# Altium PCB FMC_ADC_250M_16B_4ch_pcb.PcbDoc (part 6 of 8) (continued)
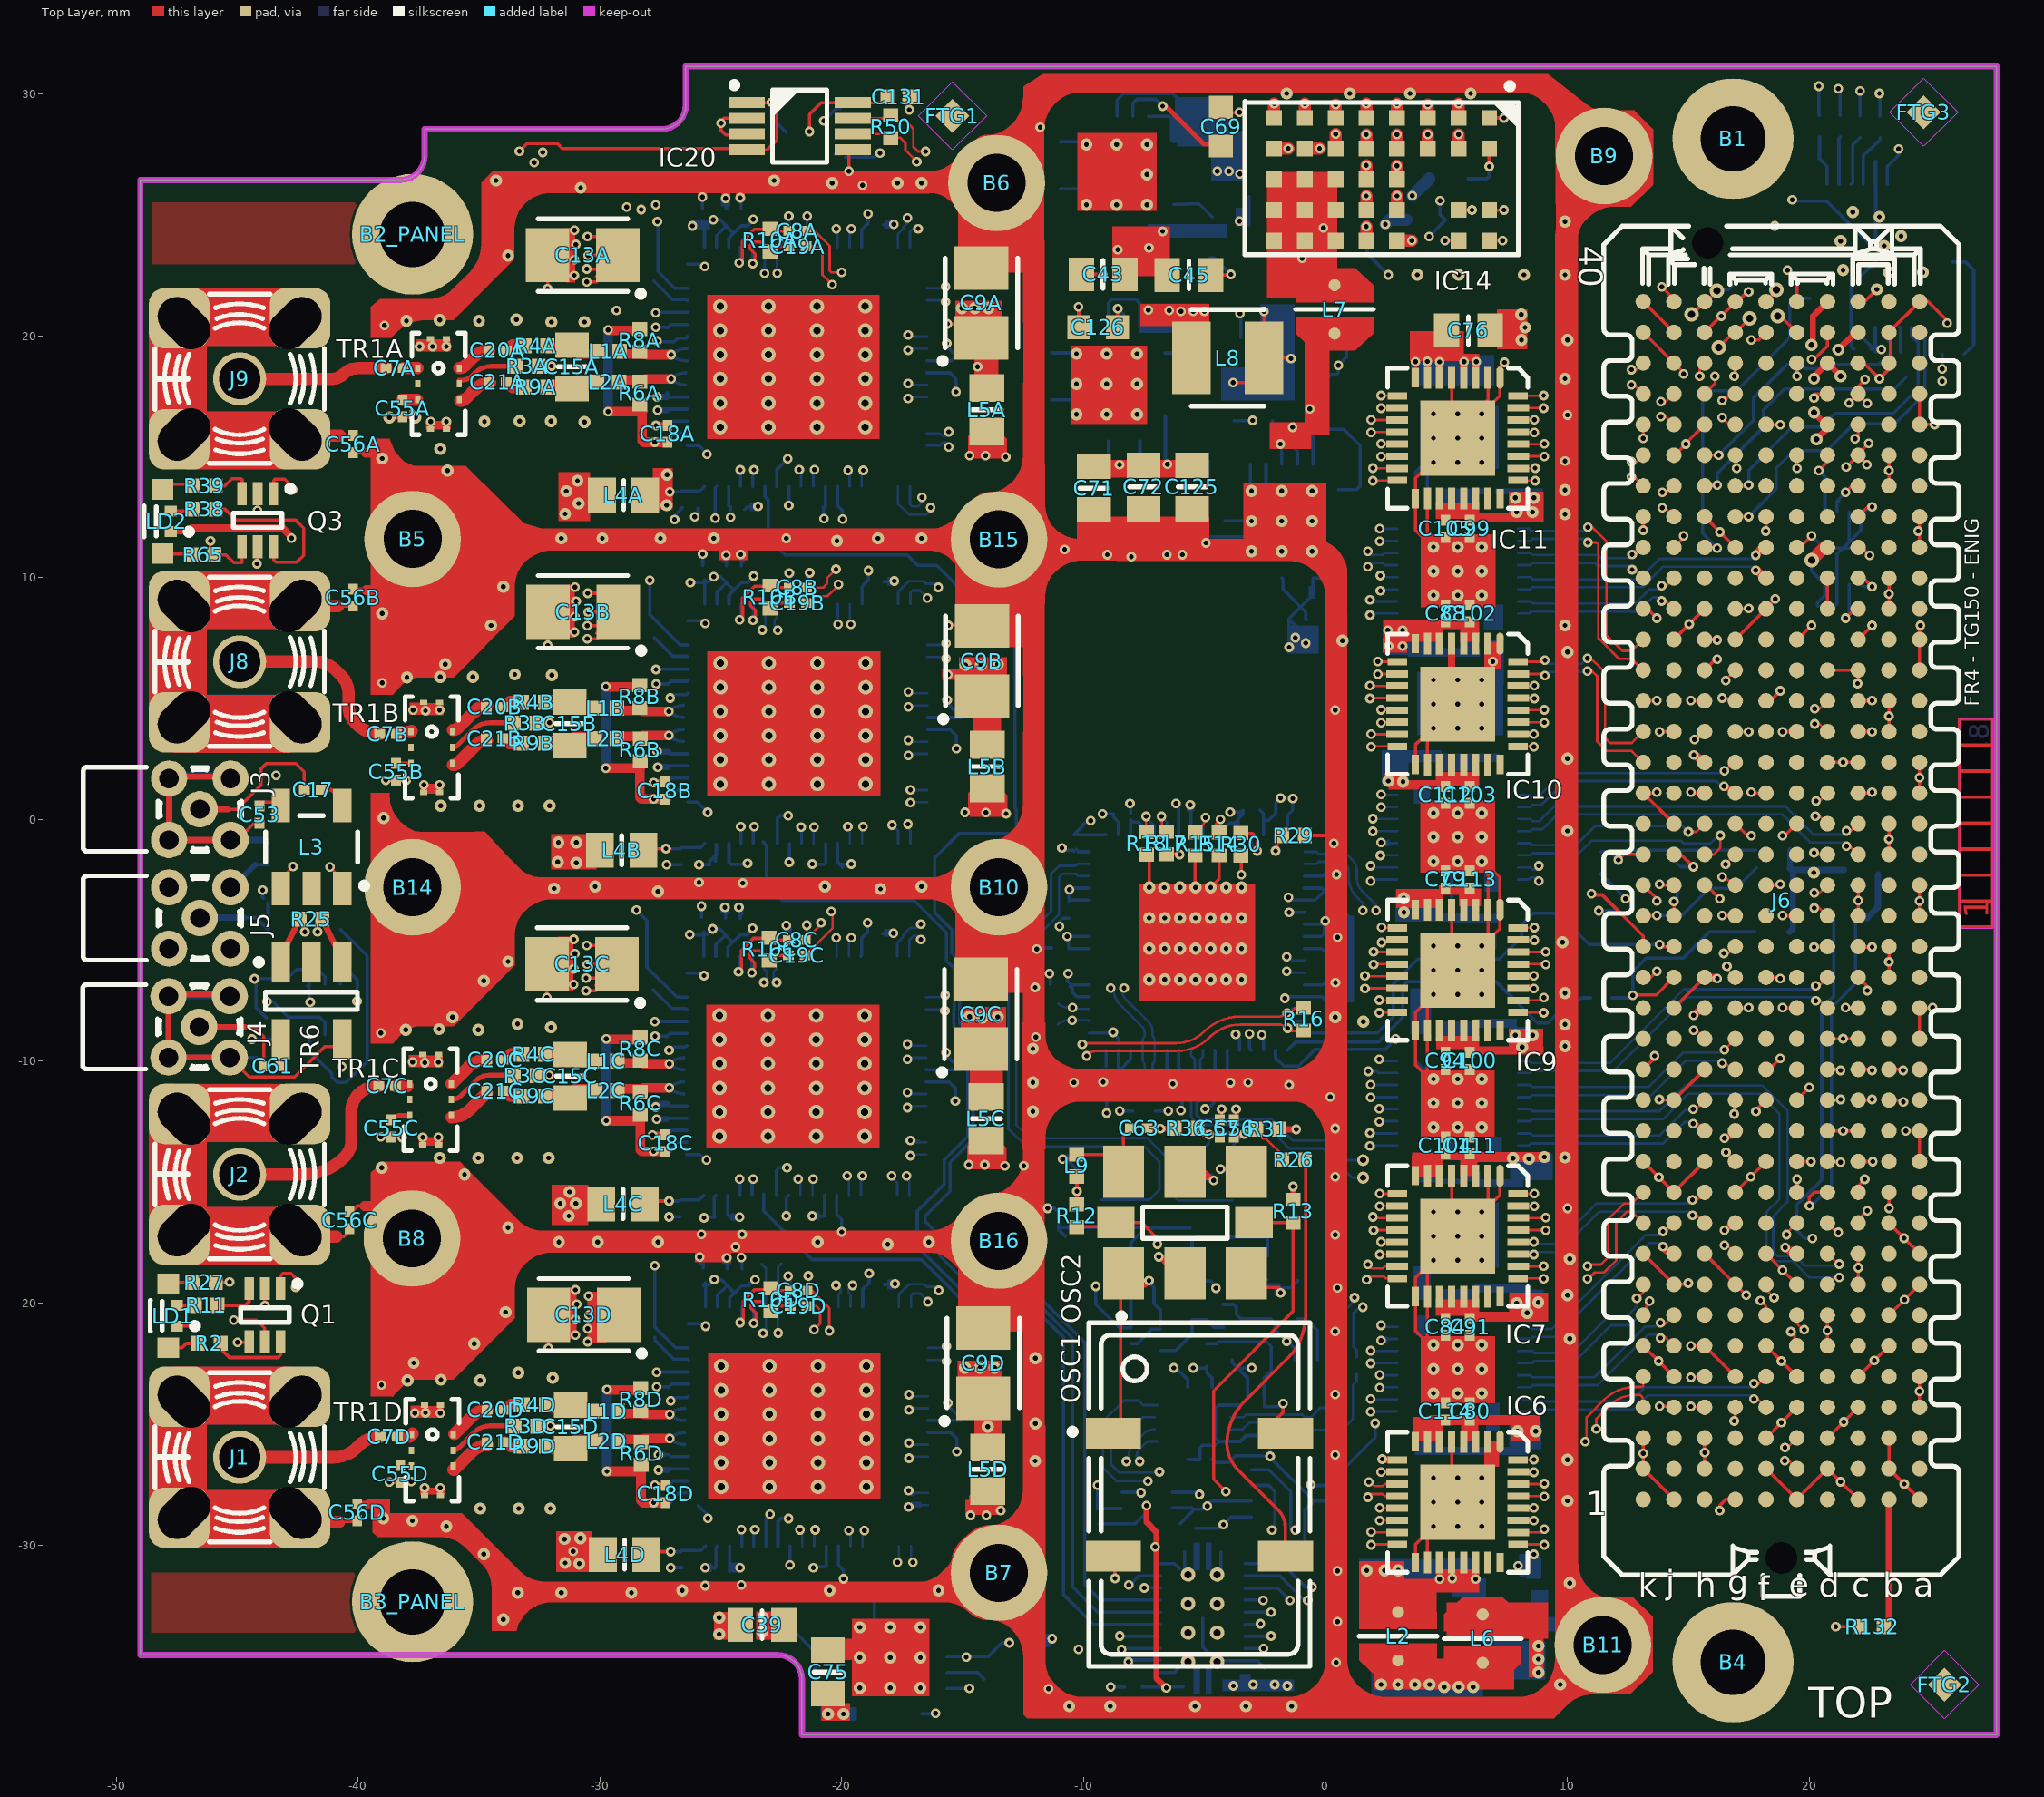
[diagram p0: Top Layer view]
## Nets (pads, with @x,y where several pads share a name; then routed paths per layer and width w, separated by ;. In a path a pad name is that pad's centre, name@x,y a point inside that pad or via, vN(x,y) a via of type N, cw(c..) or ccw(c..) an arc to the next point about the centre after c; other vN are vias at no path point) (continued)
P1V8_OVDD: C25.1 C71.1 C72.1 C125.1 C129.2 IC16.1 IC16.3 IC16.20 IC18.1 IC19.1 L5A.2 L5B.2 L5C.2 L5D.2 | length 44
  Top Layer w0.135: v1@-14.924,0.294 v1@-14.705,0.294 ; v1(-14.899,0.294) v1@-14.705,0.294 ; v1(-14.743,-14.278) -14.743,-13.495 L5C.2@-14.048,-12.801 ; v1(-14.715,15.043) -14.715,15.826 L5A.2@-14.02,16.52 ; v1(-14.673,-28.778) -14.673,-27.995 -13.978,-27.301 -13.978,-28.744 v1(-14.013,-28.778) ; v1(-14.083,-14.278) -14.048,-14.244 L5C.2@-14.048,-12.801 ; v1(-14.054,15.043) -14.02,15.077 L5A.2@-14.02,16.52 ; v1(-14.04,0.289) -14.006,0.323 L5B.2@-14.006,1.766 ; v1(-13.244,-14.329) -13.257,-14.316 -13.257,-13.592 L5C.2@-14.048,-12.801 ; v1(-13.216,14.992) -13.228,15.004 -13.228,15.729 L5A.2@-14.02,16.52 ; v1(-13.202,0.238) -13.214,0.25 -13.214,0.975 L5B.2@-14.006,1.766 ; v1(-7.036,-30.074) v1@-6.985,-30.023 ; v1@-14.705,0.294 -14.7,0.289 -14.7,1.072 L5B.2@-14.006,1.766
  Top Layer w0.254: v1(-7.391,-28.372) -7.391,-29.058 -6.985,-29.464 v1@-6.985,-30.023 ; v1@-6.985,-29.997 -6.985,-35.505 v1(-6.576,-35.914)
  L3 w0.135: v1(-13.426,-28.576) -13.396,-28.576 -13.394,-28.579 -13.394,-28.675 -11.406,-28.675 -10.008,-30.074 v1(-7.036,-30.074)
  Bottom Layer w0.135: C129.2@-9.366,-29.12 -8.416,-29.12 -7.86,-29.12 -7.391,-28.651 v1(-7.391,-28.372) ; IC16.3@-8.966,15.646 -8.966,14.643 -8.865,14.542 -8.636,14.542 v1(-8.509,14.669) ; IC16.1@-7.666,15.646 -7.666,14.791 -7.518,14.643 -6.553,14.643 -6.528,14.669 v1(-6.528,14.694) -6.616,14.783 IC16.20@-6.616,16.696 ; C25.1@-7.589,-35.876 v1@-6.615,-35.876 ; v1(-6.576,-35.914) v1@-6.615,-35.876 ; IC18.1@-5.882,-35.85 -5.907,-35.876 v1@-6.615,-35.876
P1V8AA: C1A.2 C2A.2 C3A.2 C4A.2 C5A.2 C6A.2 C13A.1 C24A.2 C133A.2 IC1A.6 IC1A.13 IC1A.19 IC1A.20 IC1A.21 IC1A.70 IC1A.71 IC1A.72 L4A.2 | length 20.6
  Top Layer w0.135: v1(-30.539,22.231) -30.132,22.231 -29.955,22.409 C13A.1@-29.955,22.642 ; v1(-30.539,22.764) -29.832,22.764 C13A.1@-29.258,23.338 ; v1(-30.513,24.111) -30.03,24.111 C13A.1@-29.258,23.338 ; v1(-30.488,23.323) -30.473,23.338 C13A.1@-29.258,23.338 ; C13A.1@-30.137,22.46 C13A.1@-29.258,23.338 ; L4A.2@-28.115,13.417 -27.988,13.544 v1(-27.11,13.544)
  Bottom Layer w0.135: v1(-27.688,20.357) C1A.2@-27.186,20.357 ; v1(-27.618,16.922) v1@-27.612,16.928 ; C5A.2@-27.211,16.928 -27.169,16.971 IC1A.6@-26.375,16.971 ; C1A.2@-27.211,20.332 C1A.2@-27.186,20.357 ; v1(-27.11,13.544) -26.698,13.544 C24A.2@-26.653,13.589 -25.856,13.589 IC1A.72@-25.675,13.771 ; IC1A.13@-26.375,20.471 -27.072,20.471 C1A.2@-27.186,20.357 ; v1(-26.173,24.548) C2A.2@-25.764,24.548 ; IC1A.19@-25.675,23.671 -25.675,24.485 C2A.2@-25.764,24.573 ; C2A.2@-25.668,24.669 C2A.2@-25.764,24.573 ; v1(-25.236,12.46) C6A.2@-25.236,12.935 -25.236,13.71 IC1A.71@-25.175,13.771 ; IC1A.20@-25.175,23.671 -25.175,24.146 C4A.2@-24.773,24.548 ; IC1A.70@-24.675,13.771 -24.675,12.985 C133A.2@-24.607,12.917 ; IC1A.21@-24.675,23.671 -24.675,24.036 -24.474,24.238 ; v1(-24.59,12.498) C133A.2@-24.59,12.935 ; C2A.2@-25.764,24.573 -25.529,24.573 v1(-25.306,24.796) -25.021,24.796 C4A.2@-24.773,24.548 ; C4A.2@-24.773,24.548 -24.773,24.537 -24.474,24.238 ; -24.474,24.238 -24.163,24.548 -23.878,24.548 ; -23.878,24.548 -23.878,24.599 v1(-23.655,24.822) -23.655,24.771 -23.878,24.548
  Bottom Layer w0.254: v1@-27.612,16.928 C5A.2@-27.211,16.928
  other v2: -27.243,12.994 -27.218,14.264
P1V8AB: C1B.2 C2B.2 C3B.2 C4B.2 C5B.2 C6B.2 C13B.1 C24B.2 C133B.2 IC1B.6 IC1B.13 IC1B.19 IC1B.20 IC1B.21 IC1B.70 IC1B.71 IC1B.72 L4B.2 | length 21.3
  Top Layer w0.135: v1(-30.525,7.477) -30.118,7.477 -29.94,7.655 C13B.1@-29.94,7.888 ; v1(-30.525,8.01) -29.818,8.01 C13B.1@-29.244,8.584 ; v1(-30.499,9.357) -30.016,9.357 C13B.1@-29.244,8.584 ; v1(-30.474,8.569) -30.459,8.584 C13B.1@-29.244,8.584 ; C13B.1@-30.122,7.706 C13B.1@-29.244,8.584 ; L4B.2@-28.101,-1.337 -27.974,-1.21 v1@-27.096,-1.21
  Bottom Layer w0.135: v1(-27.674,5.603) C1B.2@-27.172,5.603 ; v1(-27.604,2.168) v1@-27.598,2.174 ; C5B.2@-27.197,2.174 -27.155,2.217 IC1B.6@-26.361,2.217 ; C1B.2@-27.197,5.578 C1B.2@-27.172,5.603 ; v1@-27.096,-1.21 -26.684,-1.21 -26.638,-1.165 -25.842,-1.165 IC1B.72@-25.661,-0.983 ; IC1B.13@-26.361,5.717 -27.058,5.717 C1B.2@-27.172,5.603 ; v1(-26.252,9.793) C2B.2@-25.749,9.794 ; v1(-25.897,-1.865) -25.891,-1.871 -25.465,-1.871 -25.465,-1.738 -25.222,-1.495 ; IC1B.19@-25.661,8.917 -25.661,9.731 C2B.2@-25.749,9.819 ; C2B.2@-25.653,9.915 C2B.2@-25.749,9.819 ; C6B.2@-25.222,-1.713 -25.222,-1.495 ; IC1B.71@-25.186,-1.027 -25.186,-1.459 -25.222,-1.495 ; IC1B.20@-25.161,8.917 -25.161,9.392 C4B.2@-24.759,9.794 ; IC1B.70@-24.661,-0.983 -24.661,-1.769 -24.616,-1.814 C133B.2@-24.555,-1.875 ; IC1B.21@-24.661,8.917 -24.661,9.282 -24.46,9.484 ; C133B.2@-24.525,-1.845 -23.921,-1.845 v1(-23.89,-1.814) ; C2B.2@-25.749,9.819 -25.515,9.819 v1(-25.292,10.042) -25.007,10.042 C4B.2@-24.759,9.794 ; C4B.2@-24.759,9.794 -24.759,9.783 -24.46,9.484 ; -24.46,9.484 -24.149,9.794 -23.864,9.794 ; -23.864,9.794 -23.864,9.845 v1(-23.641,10.068) -23.641,10.017 -23.864,9.794
  Bottom Layer w0.254: v1@-27.598,2.174 C5B.2@-27.197,2.174
  other v1: -27.268,-1.205
P1V8AC: C1C.2 C2C.2 C3C.2 C4C.2 C5C.2 C6C.2 C13C.1 C24C.2 C133C.2 IC1C.6 IC1C.13 IC1C.19 IC1C.20 IC1C.21 IC1C.70 IC1C.71 IC1C.72 L4C.2 | length 20.7
  Top Layer w0.135: v1(-30.567,-7.09) -30.161,-7.09 -29.983,-6.912 C13C.1@-29.983,-6.679 ; v1(-30.567,-6.556) -29.86,-6.556 C13C.1@-29.286,-5.982 ; v1(-30.542,-5.21) -30.058,-5.21 C13C.1@-29.286,-5.982 ; v1(-30.516,-5.998) -30.501,-5.982 C13C.1@-29.286,-5.982 ; C13C.1@-30.165,-6.861 C13C.1@-29.286,-5.982 ; L4C.2@-28.143,-15.904 -28.016,-15.777 v1(-27.138,-15.777)
  Bottom Layer w0.135: v1(-27.717,-8.964) C1C.2@-27.214,-8.964 ; v1(-27.646,-12.398) v1@-27.641,-12.393 ; C5C.2@-27.24,-12.393 -27.197,-12.35 IC1C.6@-26.403,-12.35 ; C1C.2@-27.24,-8.989 C1C.2@-27.214,-8.964 ; v1(-27.138,-15.777) -26.726,-15.777 C24C.2@-26.681,-15.731 -25.885,-15.731 IC1C.72@-25.703,-15.55 ; IC1C.13@-26.403,-8.85 -27.101,-8.85 C1C.2@-27.214,-8.964 ; v1(-26.278,-4.761) -26.266,-4.773 C2C.2@-25.792,-4.773 ; IC1C.19@-25.703,-5.65 -25.703,-4.836 C2C.2@-25.792,-4.747 ; C2C.2@-25.696,-4.651 C2C.2@-25.792,-4.747 ; v1(-25.694,-16.47) -25.674,-16.45 C6C.2@-25.262,-16.45 ; C6C.2@-25.264,-16.386 -25.264,-15.611 IC1C.71@-25.203,-15.55 ; IC1C.20@-25.203,-5.65 -25.203,-5.175 C4C.2@-24.801,-4.773 ; IC1C.70@-24.703,-15.55 -24.703,-16.336 C133C.2@-24.618,-16.422 ; IC1C.21@-24.703,-5.65 -24.703,-5.284 -24.502,-5.083 ; C133C.2@-24.627,-16.45 -24.226,-16.45 v1(-24.22,-16.445) ; C133C.2@-24.618,-16.386 C133C.2@-24.618,-16.422 ; C133C.2@-24.597,-16.442 C133C.2@-24.618,-16.422 ; C2C.2@-25.792,-4.747 -25.558,-4.747 v1(-25.335,-4.524) -25.05,-4.524 C4C.2@-24.801,-4.773 ; C4C.2@-24.801,-4.773 -24.801,-4.784 -24.502,-5.083 ; -24.502,-5.083 -24.192,-4.773 -23.907,-4.773 ; -23.907,-4.773 -23.907,-4.722 v1(-23.684,-4.499) -23.684,-4.55 -23.907,-4.773
  Bottom Layer w0.254: v1@-27.641,-12.393 C5C.2@-27.24,-12.393
P1V8AD: C1D.2 C2D.2 C3D.2 C4D.2 C5D.2 C6D.2 C13D.1 C24D.2 C133D.2 IC1D.6 IC1D.13 IC1D.19 IC1D.20 IC1D.21 IC1D.70 IC1D.71 IC1D.72 L4D.2 | length 20.2
  Top Layer w0.135: v1(-30.497,-21.59) -30.091,-21.59 -29.913,-21.412 C13D.1@-29.913,-21.179 ; v1(-30.497,-21.056) -29.79,-21.056 C13D.1@-29.216,-20.482 ; v1(-30.472,-19.71) -29.988,-19.71 C13D.1@-29.216,-20.482 ; v1(-30.446,-20.498) -30.431,-20.482 C13D.1@-29.216,-20.482 ; C13D.1@-30.095,-21.361 C13D.1@-29.216,-20.482 ; L4D.2@-28.073,-30.404 -27.946,-30.277 v1(-27.068,-30.277)
  Bottom Layer w0.135: v1(-27.647,-23.464) C1D.2@-27.144,-23.464 ; v1(-27.576,-26.898) v1@-27.571,-26.893 ; C5D.2@-27.17,-26.893 -27.127,-26.85 IC1D.6@-26.333,-26.85 ; C1D.2@-27.17,-23.489 C1D.2@-27.144,-23.464 ; v1(-27.068,-30.277) -26.656,-30.277 -26.611,-30.231 -25.815,-30.231 IC1D.72@-25.633,-30.05 ; IC1D.13@-26.333,-23.35 -27.031,-23.35 C1D.2@-27.144,-23.464 ; v1(-25.643,-30.948) -25.637,-30.954 C6D.2@-25.236,-30.954 ; IC1D.19@-25.633,-20.15 -25.633,-19.336 C2D.2@-25.722,-19.247 ; C2D.2@-25.626,-19.151 C2D.2@-25.722,-19.247 ; C6D.2@-25.369,-30.897 C6D.2@-25.344,-30.923 ; C6D.2@-25.194,-30.886 -25.194,-30.111 IC1D.71@-25.133,-30.05 ; IC1D.20@-25.133,-20.15 -25.133,-19.675 C4D.2@-24.731,-19.273 ; IC1D.70@-24.633,-30.05 -24.633,-30.836 C133D.2@-24.598,-30.872 ; IC1D.21@-24.633,-20.15 -24.633,-19.784 -24.432,-19.583 ; C133D.2@-24.601,-30.954 -24.201,-30.954 v1(-24.195,-30.948) ; v1(-23.581,-19.032) v1@-23.614,-18.999 ; C2D.2@-25.722,-19.247 -25.488,-19.247 v1(-25.265,-19.024) -24.98,-19.024 C4D.2@-24.731,-19.273 ; C4D.2@-24.731,-19.273 -24.731,-19.284 -24.432,-19.583 ; -24.432,-19.583 -24.122,-19.273 -23.837,-19.273 ; -23.837,-19.273 -23.837,-19.222 v1@-23.614,-18.999 ; -23.837,-19.273 -23.614,-19.05 v1@-23.614,-18.999
  Bottom Layer w0.254: v1@-27.571,-26.893 C5D.2@-27.17,-26.893
P1V8DA: C9A.1 C10A.2 C11A.2 C12A.2 IC1A.27 IC1A.32 IC1A.62 L5A.1 | length 8.1
  Top Layer w0.135: v1@-15.477,20.504 -15.464,20.491 -14.045,20.491 -14.118,20.419 C9A.1@-14.118,19.069 ; C9A.1@-14.359,19.234 -14.283,19.234 C9A.1@-14.118,19.069 ; L5A.1@-14.02,18.32 -14.02,18.971 C9A.1@-14.118,19.069
  Bottom Layer w0.135: IC1A.27@-21.675,23.671 -21.675,24.275 C12A.2@-21.429,24.521 -21.42,24.529 v1(-21.42,24.949) ; C11A.2@-20.76,12.904 C11A.2@-20.754,12.909 v1@-20.754,12.523 ; C11A.2@-20.675,12.935 IC1A.62@-20.675,13.771 ; IC1A.32@-19.175,23.671 -19.175,24.394 C10A.2@-18.976,24.593 -18.906,24.664 v1(-18.906,25.05)
  other v1: -20.73,12.447 -14.38,18.721 -15.625,20.499
  other v2: -15.026,21.147 -14.492,21.147 -13.933,21.147
P1V8DB: C9B.1 C10B.2 C11B.2 C12B.2 IC1B.27 IC1B.32 IC1B.62 L5B.1 | length 6.8
  Top Layer w0.135: C9B.1@-14.345,4.48 -14.269,4.48 C9B.1@-14.103,4.315 ; C9B.1@-14.031,5.737 -14.103,5.665 C9B.1@-14.103,4.315 ; L5B.1@-14.006,3.566 -14.006,4.217 C9B.1@-14.103,4.315
  Bottom Layer w0.135: IC1B.27@-21.661,8.917 -21.661,9.521 C12B.2@-21.415,9.767 -21.406,9.775 -21.406,10.195 -21.401,10.2 v1(-21.325,10.2) ; v1(-21.223,-1.84) -21.218,-1.845 C11B.2@-20.74,-1.845 ; C11B.2@-20.661,-1.819 IC1B.62@-20.661,-0.983 ; IC1B.32@-19.161,8.917 -19.161,9.64 C10B.2@-18.962,9.839 -18.891,9.91 v1(-18.891,10.296)
  other v1: -15.61,5.983
  other v2: -14.873,6.39 -14.238,6.39 -13.552,6.415
P1V8DC: C9C.1 C10C.2 C11C.2 C12C.2 IC1C.27 IC1C.32 IC1C.62 L5C.1 | length 4.2
  Bottom Layer w0.135: IC1C.27@-21.703,-5.65 -21.703,-5.046 C12C.2@-21.457,-4.8 -21.449,-4.791 v1(-21.449,-4.372) ; v1(-21.223,-16.394) -21.206,-16.412 C11C.2@-20.783,-16.412 ; C11C.2@-20.703,-16.386 IC1C.62@-20.703,-15.55 ; IC1C.32@-19.203,-5.65 -19.181,-5.628 -19.181,-4.904 C10C.2@-19.005,-4.728 -18.934,-4.657 v1(-18.934,-4.27)
  other v2: -14.187,-8.19 -14.707,-8.153 -13.552,-8.164
P1V8DD: C9D.1 C10D.2 C11D.2 C12D.2 IC1D.27 IC1D.32 IC1D.62 L5D.1 | length 4.2
  Bottom Layer w0.135: IC1D.27@-21.633,-20.15 -21.633,-19.546 C12D.2@-21.387,-19.3 -21.379,-19.291 v1(-21.379,-18.872) ; v1(-21.172,-30.948) -21.136,-30.912 C11D.2@-20.713,-30.912 ; C11D.2@-20.633,-30.886 IC1D.62@-20.633,-30.05 ; IC1D.32@-19.133,-20.15 -19.127,-20.144 -19.127,-19.42 C10D.2@-18.935,-19.228 -18.864,-19.157 v1(-18.864,-18.77)
  other v2: -13.959,-25.106 -14.899,-22.668 -14.289,-22.668 -13.679,-22.668
P3V3: C36.1 J6.c39 J6.d36 J6.d38 J6.d40 L2.1 L6.1 L8.1 | length 11.6
  Top Layer w0.135: v1(-3.81,18.072) -3.099,18.072 -2.539,18.633 L8.1@-2.539,19.088 ; v1@-2.565,21.07 -2.539,21.043 L8.1@-2.539,19.088 ; v1@-1.422,18.987 -1.372,19.038 -1.372,19.088 L8.1@-2.539,19.088
  Top Layer w0.254: v4(20.106,19.625) 20.162,19.681 20.162,20.816 J6.d40@20.761,21.415 ; v4(20.206,16.825) 20.696,16.335 J6.d36@20.761,16.335 20.761,16.18 v4(20.306,15.725) ; v4(20.206,18.225) 20.206,18.325 20.211,18.325 J6.d38@20.761,18.875 21.306,18.33 v4(21.306,18.325) ; v4(21.206,19.425) 21.926,20.145 J6.c39@22.031,20.145
  other v1: -1.422,19.063 -2.539,21.019
  other v2: 4.906,-35.875 5.506,-35.875 6.106,-35.875 2.306,-35.775 3.006,-35.775 3.706,-35.775 4.306,-35.775
P3V3_BUF: C76.1 C78.2 C79.2 C80.2 C81.2 C82.2 C83.2 C84.2 C85.2 C86.2 C87.2 C88.2 C89.2 C90.2 C91.2 C92.2 C93.2 C94.2 C95.2 C96.2 C97.2 C98.2 C99.2 C100.2 C101.2 C102.2 C103.2 C104.2 C105.2 C106.2 C107.2 C108.2 C109.2 C110.2 C111.2 C112.2 C113.2 C114.2 C115.2 C116.2 C117.2 C118.2 C119.2 C120.2 C121.2 C122.2 C123.1 IC5.3 IC5.4 IC5.6 IC5.7 IC5.8 IC5.19 IC5.20 IC5.21 IC5.22 IC6.3 IC6.4 IC6.6 IC6.7 IC6.8 IC6.19 IC6.20 IC6.21 IC6.22 IC7.3 IC7.4 IC7.6 IC7.7 IC7.8 IC7.19 IC7.20 IC7.21 IC7.22 IC8.3 IC8.4 IC8.6 IC8.7 IC8.8 IC8.19 IC8.20 IC8.21 IC8.22 IC9.3 IC9.4 IC9.6 IC9.7 IC9.8 IC9.19 IC9.20 IC9.21 IC9.22 IC10.3 IC10.4 IC10.6 IC10.7 IC10.8 IC10.19 IC10.20 IC10.21 IC10.22 IC11.3 IC11.4 IC11.6 IC11.7 IC11.8 IC11.19 IC11.20 IC11.21 IC11.22 IC12.3 IC12.4 IC12.6 IC12.7 IC12.8 IC12.19 IC12.20 IC12.21 IC12.22 IC13.3 IC13.4 IC13.6 IC13.7 IC13.8 IC13.19 IC13.20 IC13.21 IC13.22 L2.2 | length 6.4
  Top Layer w0.135: IC11.8@3.721,18.271 3.721,18.924 v1(3.726,18.929) ; IC11.7@4.221,18.271 v1(4.221,18.942) ; v1(4.721,-31.409) IC6.19@4.721,-30.729 ; IC11.6@4.721,18.271 v1(4.721,18.924) ; IC6.20@5.221,-30.729 5.221,-31.41 5.224,-31.414 5.244,-31.395 v1(5.244,-31.38) ; v1@5.371,-31.405 5.699,-31.405 5.707,-31.414 5.721,-31.4 IC6.21@5.721,-30.729 ; IC11.4@5.721,18.271 5.721,18.918 v1(5.732,18.929) ; v1(6.215,-31.414) 6.221,-31.408 IC6.22@6.221,-30.729 ; IC11.3@6.221,18.271 6.221,18.91 v1(6.24,18.929)
  other v1: 2.608,7.169 3.192,7.169 2.583,7.829 3.192,7.829
  other v2: 1.713,-31.05 2.45,-31.05 3.008,-31.05 7.95,-25.298 8.7,-25.3 8.342,-20.407 7.911,-20.001 8.8,-19.975 8.419,-14.032 7.758,-14.006 9.054,-13.956 8.139,-9.409 7.86,-8.926 8.571,-8.926 3.251,-3.835 3.237,-3.262 3.212,1.564 2.602,1.589 7.911,12.714 8.571,12.714 7.86,13.299 8.622,13.299
P3V3CLK: C26.2 C27.2 C28.2 C29.2 C30.2 C31.2 C32.2 C34.2 C35.2 C37.2 C47.2 C48.2 C49.2 C50.2 C62.2 C127.2 IC2.4 IC2.5 IC2.9 IC2.13 IC2.23 IC2.26 IC2.30 IC2.31 IC2.33 IC2.36 IC2.37 IC2.40 IC2.41 IC2.44 IC2.45 IC2.48 IC2.51 IC2.52 IC2.56 IC2.59 IC2.60 IC2.64 IC4.8 IC4.13 IC17.1 IC17.3 IC17.20 IC26.7 L1.1 L9.2 R12.2 R13.2 R55.1 | length 59.1
  Top Layer w0.135: R12.2@-10.276,-15.944 v1(-10.276,-15.378) L9.2@-10.276,-14.873 ; v1@-6.096,-12.04 v1(-5.969,-12.04)
  Top Layer w0.2: R13.2@-1.335,-15.741 v1(-1.335,-15.175)
  Bottom Layer w0.135: v1@-10.794,-1.275 -10.444,-1.275 C32.2@-10.394,-1.325 ; v1@-10.679,-6.479 -10.679,-6.669 -10.514,-6.834 IC2.37@-9.758,-6.834 ; C37.2@-10.557,-6.903 -10.462,-6.998 -10.462,-7.141 -10.268,-7.334 IC2.36@-9.758,-7.334 ; C32.2@-10.301,-1.229 -10.196,-1.334 IC2.48@-9.758,-1.334 ; IC2.33@-9.758,-8.834 -8.929,-8.834 cw(c-8.929,-9.229) -8.65,-8.95 cw(c-8.873,-9.173) IC2.31@-8.558,-9.173 ; IC2.40@-9.758,-5.334 -10.57,-5.334 cw(c-10.57,-5.261) C28.2@-10.622,-5.313 -10.622,-4.973 ccw(c-10.818,-4.973) v1(-10.679,-4.834) IC2.41@-9.758,-4.834 ; IC2.44@-9.758,-3.334 -10.495,-3.334 ccw(c-10.495,-3.483) C34.2@-10.6,-3.378 -10.6,-3.078 -10.356,-2.834 IC2.45@-9.758,-2.834 ; v1(-9.042,-12.141) -9.042,-11.43 -8.488,-10.876 C27.2@-8.488,-10.342 ; IC2.31@-8.558,-9.534 -8.558,-10.273 C27.2@-8.488,-10.342 ; v1(-8.077,0.66) -8.057,0.641 C48.2@-8.057,0.229 ; IC2.30@-8.058,-9.534 -8.058,-9.911 C27.2@-8.488,-10.342 ; IC2.51@-8.058,-0.634 -8.058,-0.011 -7.956,-0.113 -7.722,-0.113 -7.558,-0.277 IC2.52@-7.558,-0.634 ; IC2.26@-6.058,-9.534 -6.058,-10.258 C50.2@-5.923,-10.393 -5.923,-11.816 -6.045,-11.938 -6.045,-11.989 -6.096,-12.04 v1(-5.969,-12.04) ; v1(-5.588,0.61) -5.558,0.579 IC2.56@-5.558,-0.634 ; v1(-5.461,-22.682) -4.976,-22.682 L1.1@-4.902,-22.609 -4.902,-22.885 -4.686,-23.102 IC4.8@-4.686,-23.468 ; v1(-4.971,-11.971) -5.012,-11.971 -5.029,-11.989 -5.029,-11.913 -4.801,-11.913 -4.616,-11.728 C26.2@-4.616,-10.444 -4.558,-10.385 IC2.23@-4.558,-9.534 ; IC4.13@-4.686,-26.468 -4.56,-26.594 -3.988,-26.594 -3.708,-26.314 -2.311,-26.314 v3(-2.286,-26.34) ; IC2.59@-4.058,-0.248 -3.962,-0.152 -3.759,-0.152 -3.607,0 ; v1(-3.937,0.305) -3.474,0.305 C29.2@-3.398,0.381 -3.398,0.209 -3.607,0 ; IC2.60@-3.558,-0.634 -3.607,-0.585 -3.607,0 ; C62.2@-2.165,-25.476 -2.286,-25.598 v3(-2.286,-26.34) ; IC17.3@-1.803,9.99 -1.753,9.94 -1.753,9.525 -0.811,8.583 -0.811,8.302 C127.2@-0.77,8.261 ; v1(-1.676,-7.391) -1.619,-7.334 IC2.13@-0.858,-7.334 -0.131,-7.334 C49.2@-0.025,-7.441 0.535,-7.441 1.016,-6.96 1.016,-5.434 ; IC2.64@-1.558,-0.634 -1.558,0.175 C35.2@-1.352,0.381 -1.352,0.858 v1(-1.346,0.864) ; v1(-1.524,-3.226) -1.416,-3.334 IC2.5@-0.858,-3.334 -0.414,-3.334 C31.2@-0.025,-2.945 ; v1@-1.512,7.144 -1.512,8.302 ; IC2.9@-0.858,-5.334 -0.15,-5.334 C47.2@-0.05,-5.434 1.016,-5.434 ; IC2.4@-0.858,-2.834 -0.135,-2.834 C31.2@-0.025,-2.945 ; R55.1@-0.856,-30.404 -0.856,-28.568 -0.477,-28.189 ; -0.494,7.725 -0.936,7.725 -1.512,8.302 ; IC17.20@0.547,11.04 0.547,10.266 0.272,9.99 IC17.1@-0.503,9.99 -0.503,9.311 -1.512,8.302 ; IC26.7@0.732,-28.189 -0.477,-28.189 ; v3(-2.286,-26.34) -2.286,-26.38 -0.477,-28.189 ; C31.2@-0.025,-2.945 -0.025,-3.023 1.016,-4.064 1.016,-5.434
  other v1: -10.643,-6.375 -10.581,-2.907 -10.894,-1.175 -1.494,7.125 -0.813,7.29 -1.245,7.518
  other v3: -8.775,-8.8
P3V3D: C22.2 C23.2 C77.1 C131.1 C132.1 D1.2 IC15.16 IC15.36 IC15.37 IC20.8 L6.2 LD1.2 LD2.2 R47.1 R132.1 | length 92
  Top Layer w0.135: LD1.2@-47.494,-20.95 -46.711,-20.95 v3(-46.711,-20.93) ; v1(-42.748,11.633) v1@-42.748,11.684 ; v1(-21.336,28.448) -21.336,29.159 -20.848,29.647 -18.362,29.647 C131.1@-18.124,29.885 ; L6.2@6.748,-32.852 6.771,-32.875 ; v1(21.106,-33.375) 21.806,-33.375
  Top Layer w0.3: LD2.2@-47.782,11.938 -46.99,11.938 -46.872,12.056 -43.12,12.056 v1@-42.748,11.684
  L5 w0.2: -46.203,7.087 -46.203,5.969 -44.482,4.248 -44.482,3.486 -43.409,2.413 -43.409,1.854 v1(-43.383,1.829) ; -46.203,7.112 -43.942,9.373 ; -43.942,9.347 -43.942,9.373 ; v1(-42.748,11.633) -42.748,11.278 -43.942,10.084 -43.942,9.373
  L3 w0.135: v3(-46.711,-20.93) -46.253,-20.472 -46.253,-19.177 -44.958,-17.882 -44.958,-17.05 -46.619,-15.39 -46.619,-13.96 -45.654,-12.996 -45.654,-12.101 -43.392,-9.839 -43.392,-7.379 -43.616,-7.155 -43.616,-3.451 -43.337,-3.172 -43.337,-2.67 -43.616,-2.391 -43.616,1.002 -43.383,1.235 v1(-43.383,1.829) ; v1(22.989,19.442) 24.689,19.442 v1(25.506,18.625) v1(25.506,18.125) ; v1(-43.383,1.829) -43.358,1.829 -43.383,1.854 v1(-43.383,1.829)
  L3 w0.3: v1(-42.748,11.633) -40.284,14.097 -40.284,21.311 -39.878,21.717 -36.208,21.717 -31.23,26.695 -23.622,26.695 -21.869,28.448 v1(-21.336,28.448)
  Bottom Layer w0.135: D1.2@-20.271,27.51 D1.2@-20.051,27.51 ; D1.2@-19.852,27.396 -19.073,27.396 C132.1@-19.044,27.425 ; C132.1@-19.115,27.39 -18.635,27.39 -18.517,27.508 -18.463,27.508 -18.415,27.461 v1(-18.415,27.559) ; IC15.37@22.238,20.363 22.238,19.894 22.556,19.575 C22.2@22.556,19.45 ; IC15.36@22.738,20.363 22.738,19.631 C22.2@22.556,19.45 ; v1(22.989,19.442) 22.981,19.45 C22.2@22.556,19.45 ; IC15.16@23.238,26.263 23.238,27.006 C23.2@23.456,27.225 23.706,27.475 v1(23.706,27.725) ; v1@25.506,18.725 R47.1@25.506,19.225
  other v2: 8.806,-35.275 8.814,-34.722 8.806,-34.175
P3V7: C68.2 IC14.F3 IC14.F4 IC14.F5 IC14.G3 IC14.G4 IC14.G5 IC14.H3 IC14.H4 IC14.H5 L7.1 | length 7.2
  Top Layer w0.135: IC14.H5@-2.192,24.009 IC14.H5@-2.116,23.933 ; IC14.H4@-2.116,25.203 -1.532,25.203 ; IC14.H3@-2.116,26.473 -1.394,26.473 IC14.G3@-0.846,26.473 ; -1.303,24.39 IC14.G5@-0.846,23.933 ; IC14.G4@-0.846,25.203 -0.262,25.203 ; -0.094,25.725 -0.094,25.72 IC14.F4@0.424,25.203 ; -0.094,26.473 IC14.F3@0.424,26.473 ; v1(-0.084,24.466) 0.424,23.958 IC14.F5@0.424,23.933
  Bottom Layer w0.135: v1(-0.965,23.203) -0.368,23.203 C68.2@-0.07,23.501 -0.07,24.452 v1(-0.084,24.466)
P12V0: C46.1 IC14.A1 IC14.A4 IC14.A5 IC14.B4 IC14.B5 J6.c35 J6.c37 | length 8.5
  Top Layer w0.135: v1(4.945,23.933) IC14.B5@5.504,23.933 ; IC14.B4@5.504,25.203 v1(6.063,25.203) ; IC14.A5@6.774,23.933 v1(7.333,23.933) ; IC14.A4@6.774,25.203 v1(7.383,25.203) ; IC14.A1@6.774,29.013 v1(7.383,29.013) ; v1(21.535,14.584) 21.55,14.584 J6.c35@22.031,15.065 ; v1(21.652,17.226) J6.c37@22.031,17.605 ; v1(22.312,18.201) 22.031,17.92 J6.c37@22.031,17.605 ; v1(22.389,14.67) 22.389,14.708 J6.c35@22.031,15.065 ; v1(22.414,17.21) 22.031,17.593 J6.c37@22.031,17.605 ; v1(22.465,15.559) 22.031,15.126 J6.c35@22.031,15.065
  Bottom Layer w0.135: v1(4.285,24.111) 4.958,24.784 C46.1@4.958,24.796 4.742,25.012 v1(4.742,25.584)
PG_M2C: J6.f1
PLL_FUNCTION: IC2.16 J6.j19 | length 19.1
  Top Layer w0.135: v1(13.814,-5.175) 13.814,-5.268 14.399,-5.268 J6.j19@14.411,-5.255
  Bottom Layer w0.135: IC2.16@-0.858,-8.834 2.147,-8.834 2.806,-8.175 2.806,-6.792 3.821,-5.777 7.199,-5.777 8.114,-4.862 8.114,-4.354 8.596,-3.872 9.612,-3.872 10.915,-5.175 v1(13.814,-5.175)
PLL_PDN: J6.k23
PLL_RFOUTEN: J6.j15
PLL_SCB: IC2.21 J6.k19 | length 24
  Top Layer w0.135: v1(11.006,-3.075) 11.048,-3.117 11.449,-3.117 13.141,-4.81 J6.k19@13.141,-5.255
  L3 w0.127: v1@-3.658,-8.839 -3.531,-8.712 -3.531,-8.56 -3.353,-8.382 -2.548,-8.382 -1.834,-9.096 2.047,-9.096 2.762,-8.38 6.044,-8.38 6.92,-7.504 6.92,-4.172 7.975,-3.117 11.164,-3.117 11.122,-3.075 v1(11.006,-3.075)
  Bottom Layer w0.135: v1(-3.708,-8.89) -3.558,-9.041 IC2.21@-3.558,-9.534
PLL_SCLK: IC2.18 J6.j21 | length 23
  Top Layer w0.135: v1(13.814,-2.675) 13.854,-2.715 J6.j21@14.411,-2.715
  L5 w0.127: v1(13.814,-2.675) v1@13.906,-2.768
  L3 w0.127: v1(2.906,-9.075) 6.206,-9.075 7.706,-7.575 7.706,-4.175 8.206,-3.675 10.619,-3.675 11.134,-4.191 11.479,-4.191 11.722,-3.947 11.722,-3.359 12.406,-2.675 v1(13.814,-2.675)
  Bottom Layer w0.135: IC2.18@-2.058,-9.534 -2.058,-9.855 -1.716,-10.196 -1.106,-10.196 -0.407,-9.497 2.484,-9.497 v1(2.906,-9.075)
PLL_SDIO: D4.2 J6.k20 R51.1 | length 6.1
  Top Layer w0.135: J6.k20@13.141,-3.985 13.696,-3.985 v1(13.706,-3.975)
  Bottom Layer w0.135: R51.1@13.156,-3.975 v1(13.706,-3.975) 14.745,-3.975 15.875,-2.845 16.993,-2.845 D4.2@17.831,-2.007
PLL_SDO: D6.2 J6.k22 R52.1 | length 7.9
  Top Layer w0.135: v1(12.106,-1.675) 12.336,-1.445 J6.k22@13.141,-1.445
  Bottom Layer w0.135: R52.1@11.406,-1.325 11.756,-1.325 v1(12.106,-1.675) 12.511,-1.27 D6.2@17.817,-1.27
PLL_STATUS: D5.2 J6.j18 R53.1 | length 9.6
  Top Layer w0.135: v1(12.706,-7.275) 12.726,-7.255 13.681,-7.255 J6.j18@14.411,-6.525
  Bottom Layer w0.135: R53.1@11.856,-7.375 12.606,-7.375 v1(12.706,-7.275) 12.706,-6.293 13.259,-5.74 14.783,-5.74 15.875,-4.648 D5.2@17.755,-4.648
REFIN_N: C124.2 IC4.10 R74.2 | length 6.4
  Bottom Layer w0.102: IC4.10@-3.936,-24.718 -3.392,-24.718 -3.286,-24.613 -0.949,-24.613 -0.843,-24.718 -0.604,-24.718 -0.219,-24.333 0.787,-24.333 0.813,-24.308 0.813,-23.405 0.66,-23.252 C124.2@0.66,-22.956
REFIN_P: C58.2 IC4.11 R74.1 | length 7.4
  Bottom Layer w0.102: IC4.11@-3.936,-25.218 -3.425,-25.218 -3.15,-24.943 -1.085,-24.943 -0.788,-25.24 0.677,-25.24 1.143,-24.775 1.143,-23.379 1.295,-23.227 C58.2@1.295,-22.931
REFINC_N: C124.1 IC2.2 | length 23
  L5 w0.102: v1@1.118,-19.686 1.118,-19.443 ccw(c0.826,-19.443) 1.032,-19.237 cw(c1.562,-18.707) 0.813,-18.707 0.813,-5.774 cw(c1.735,-5.774) 1.083,-5.122 1.356,-4.849 ccw(c0.52,-4.013) 1.702,-4.013 1.702,-3.912 v1(1.549,-3.759)
  Bottom Layer w0.102: IC2.2@-0.858,-1.834 -0.364,-1.834 -0.279,-1.749 0.585,-1.749 cw(c0.585,-2.107) 0.838,-1.854 ; C124.1@0.66,-22.256 0.66,-21.957 0.827,-21.791 0.827,-20.284 0.889,-20.222 1.202,-19.909 v1(1.202,-19.77) ; 0.838,-1.854 cw(c0.532,-2.161) 0.965,-2.161 0.965,-2.413 ccw(c2.069,-2.413) 1.288,-3.193 1.549,-3.454 v1(1.549,-3.759)
REFINC_P: C58.1 IC2.1 | length 23.7
  L5 w0.102: 1.244,-5.283 ccw(c1.735,-5.774) 1.041,-5.774 1.041,-18.707 ccw(c1.562,-18.707) 1.194,-19.075 1.239,-19.12 cw(c0.979,-19.38) 1.345,-19.354 cw(c0.979,-19.38) 1.346,-19.38 1.58,-19.613 1.58,-19.926 1.546,-19.961 1.549,-19.964 v1@1.549,-20.066 ; 1.245,-5.283 1.517,-5.01 ccw(c0.52,-4.013) 1.93,-4.013 1.93,-3.817 1.927,-3.814 v1@1.927,-3.75
  Bottom Layer w0.102: IC2.1@-0.858,-1.334 -0.364,-1.334 -0.279,-1.419 0.722,-1.419 cw(c0.722,-1.777) 0.975,-1.524 1.134,-1.683 cw(c0.744,-2.073) 1.295,-2.073 1.295,-2.413 ccw(c2.069,-2.413) 1.522,-2.96 ; C58.1@1.295,-22.231 1.295,-21.932 1.157,-21.793 1.157,-20.421 1.41,-20.168 v1(1.549,-20.168) ; 1.522,-2.96 2.095,-3.534 v1(2.095,-3.759)
RF_AUX_N: IC2.46 J10.1 | length 23.3
  Bottom Layer w0.102: IC2.46@-9.758,-2.334 -10.245,-2.334 -10.33,-2.249 -10.871,-2.249 -11.011,-2.389 -11.011,-3.928 -12.776,-5.694 -12.776,-12.649 -12.243,-13.183 -7.356,-13.183 -7.178,-13.36 -6.528,-14.011 -6.528,-15.316 -6.097,-15.747 J10.1@-3.861,-15.747
RF_AUX_P: IC2.47 J7.1 | length 23.6
  Bottom Layer w0.102: IC2.47@-9.758,-1.834 -10.245,-1.834 -10.329,-1.919 -11.008,-1.919 -11.341,-2.252 -11.341,-3.792 -13.106,-5.557 -13.106,-12.786 -12.38,-13.513 -7.493,-13.513 -6.858,-14.148 -6.858,-15.316 -7.263,-15.722 J7.1@-9.271,-15.722
SCL: IC22.6 J6.c30 | length 2.1
  Top Layer w0.135: v1(21.506,8.325) 21.896,8.715 J6.c30@22.031,8.715
  Bottom Layer w0.135: v1(21.506,8.325) 21.656,8.475 IC22.6@21.656,9.725
SDA: IC22.5 J6.c31 | length 1.2
  Top Layer w0.135: J6.c31@22.031,9.985 22.246,9.985 v1(22.606,9.625)
  Bottom Layer w0.135: IC22.5@22.156,9.725 22.256,9.625 v1(22.606,9.625)
SDIO: IC2.19 R51.2 | length 20.5
  Top Layer w0.135: v1@-2.656,-8.901 v1(-2.63,-8.901)
  L3 w0.127: v1(-2.63,-8.901) -2.207,-9.324 2.177,-9.324 2.542,-8.96 2.542,-8.924 2.806,-8.659 6.228,-8.659 7.428,-7.459 7.428,-4.059 8.091,-3.396 10.74,-3.396 11.118,-3.775 v1(11.306,-3.775)
  Bottom Layer w0.135: v1(-2.63,-8.901) -2.558,-8.974 IC2.19@-2.558,-9.534 ; v1(11.306,-3.775) 12.056,-3.775 R51.2@12.256,-3.975
SDO: IC2.20 R52.2 | length 23.2
  L3 w0.127: v1(-3.138,-8.865) -3.138,-8.981 -2.567,-9.552 6.245,-9.552 8.062,-7.735 8.062,-4.331 8.363,-4.031 10.58,-4.031 11.019,-4.47 11.594,-4.47 12.406,-3.657 v1(12.406,-3.275)
  Bottom Layer w0.135: v1(-3.138,-8.865) -3.138,-9.454 IC2.20@-3.058,-9.534 ; R52.2@11.406,-2.225 11.406,-2.275 v1(12.406,-3.275)
SI_OE: OSC2.2 R75.2 | length 58.4
  Top Layer w0.135: v1(-6.883,-18.085) -6.909,-18.085 -6.22,-18.773 OSC2.2@-5.805,-18.773
  L5 w0.123: v1(-6.883,-18.085) -6.706,-18.263 -3.302,-18.263 -2.719,-18.846 -2.719,-21.818 -2.54,-21.996 -2.515,-21.996 -2.261,-22.25 -1.219,-22.25 0.381,-20.65 1.8,-20.65 2.181,-20.269 5.944,-20.269 6.909,-21.234 6.909,-21.26 10.01,-24.361 11.974,-24.361 12.634,-25.022 15.962,-25.022 16.402,-25.462 17.489,-25.462 18.288,-24.663 18.303,-24.663 18.613,-24.353 20.74,-24.353 21.831,-23.261 21.831,-20.496 20.431,-19.096 20.431,-17.587 v1@20.168,-17.323
  Bottom Layer w0.135: v1(20.142,-17.323) 19.823,-17.323 19.5,-17 19.5,-15.925 20.525,-14.9 20.525,-7.8 21.025,-7.3 R75.2@21.025,-4.125